# Altium PCB GEM_AFE_128.PcbDoc (part 17 of 18)
Units mm, origin at the board's own origin, x right, y up, seen from the top; angles counter-clockwise.
Board outline 112 x 81.5 mm, 8 copper layers (Top Layer, L1, L2, L3, L4, L5, L6, Bottom Layer), stack 1.52 mm thick; 1880 components, 1258 nets, 6287 pads, 2369 vias.
Unrouted connection lines stored in the file: 4.
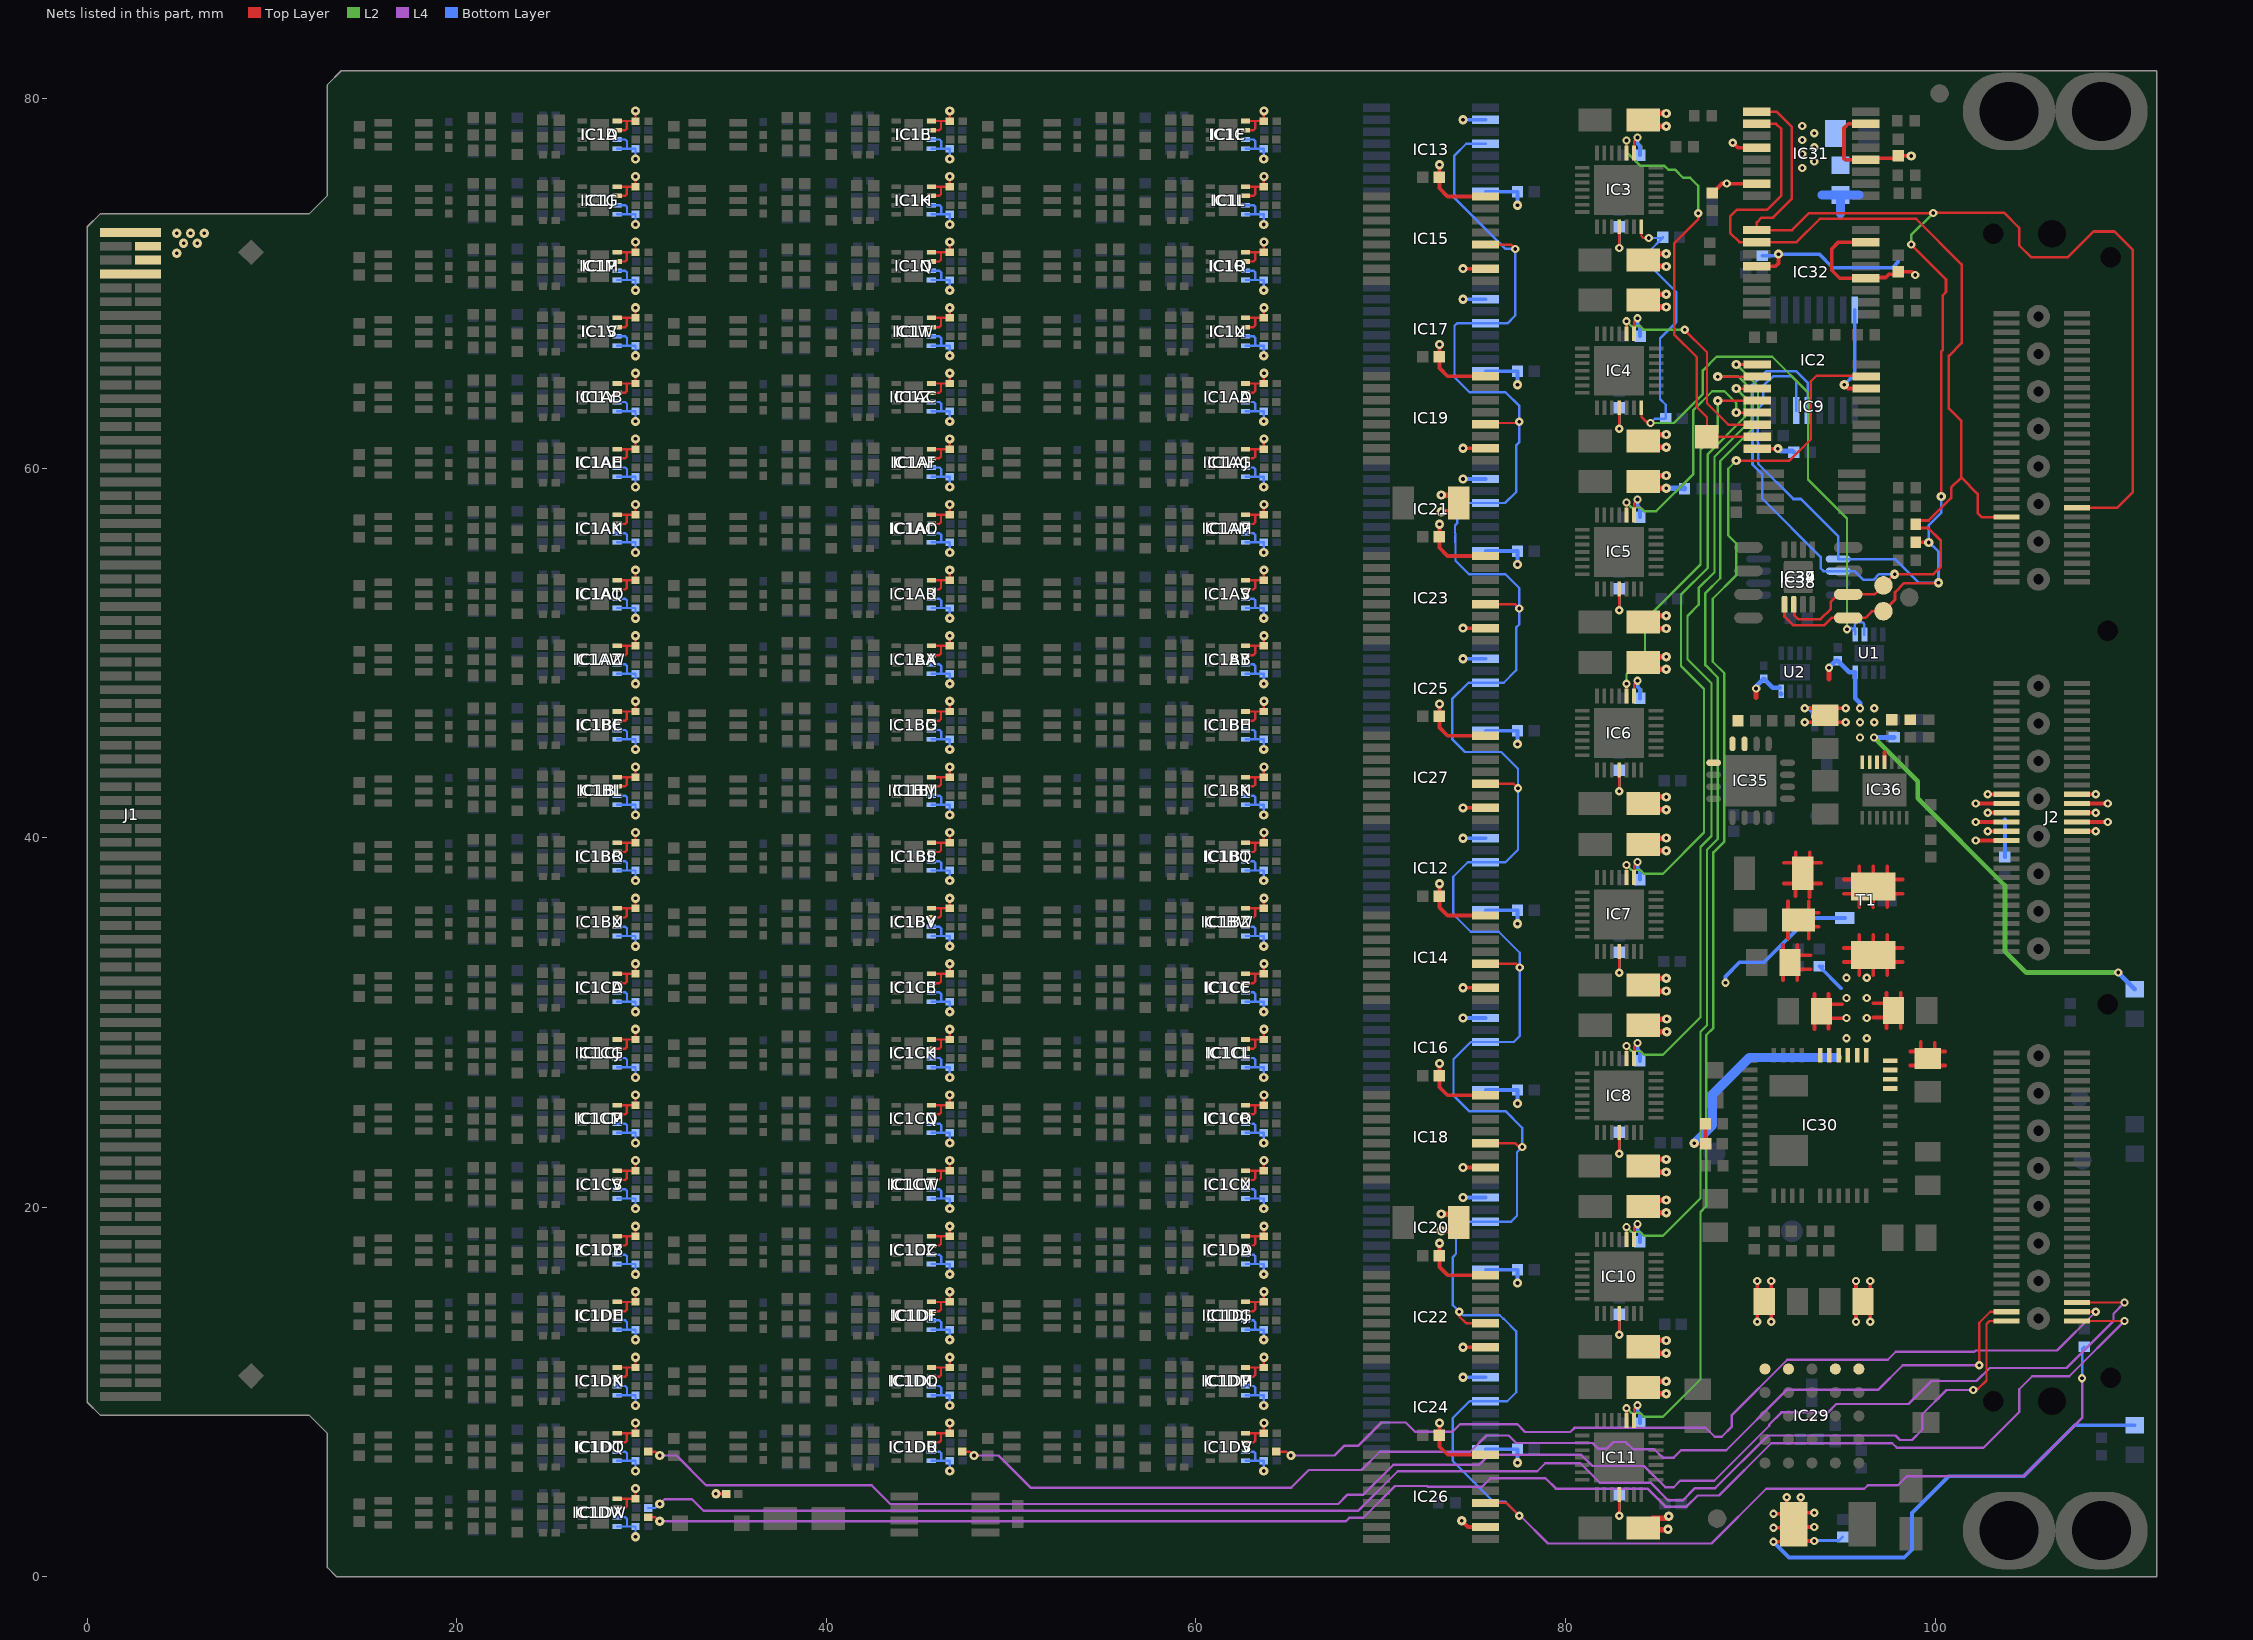
[diagram p23: the nets of this part, all layers, seen from the top]

## Via types
v1: diameter 0.5, hole 0.2, Top Layer to Bottom Layer, tented both sides, 1849 vias
v2: diameter 0.45, hole 0.2, Top Layer to Bottom Layer, tented both sides, 506 vias
v3: diameter 0.45, hole 0.2, Top Layer to Bottom Layer, 14 vias

## Nets (pads, with @x,y where several pads share a name; then routed paths per layer and width w, separated by ;. In a path a pad name is that pad's centre, name@x,y a point inside that pad or via, vN(x,y) a via of type N, cw(c..) or ccw(c..) an arc to the next point about the centre after c; other vN are vias at no path point) (continued)
OUTP123: J2.176 R6DT.2 | length 89.9
  Top Layer w0.127: R6DT.2@30.361,6.774 30.736,6.774 30.949,6.561 v1(30.987,6.561) ; J2.176@107.671,14.841 v2(110.25,14.841)
  L4 w0.127: v1(30.987,6.561) 31.889,6.561 33.5,4.95 42.457,4.95 43.462,3.945 67.695,3.945 68.2,4.45 69.065,4.45 70.674,6.059 75.324,6.059 75.862,6.597 80.853,6.597 81.45,6 84.25,6 85.4,4.85 85.85,4.85 86.2,5.2 88.05,5.2 91.022,8.172 91.022,8.244 91.678,8.9 94.2,8.9 94.65,9.35 98.55,9.35 99.795,10.595 102.245,10.595 102.95,11.3 107.1,11.3 109.65,13.85 109.65,14.241 v2(110.25,14.841)
OUTP124: J2.177 R6DU.2 | length 63.9
  Top Layer w0.127: R6DU.2@47.361,6.774 47.736,6.774 47.949,6.561 v1(47.987,6.561) ; v2(102.389,11.445) 102.389,13.746 102.984,14.341 J2.177@103.861,14.341
  L4 w0.127: v1(47.987,6.561) 49.314,6.561 51.046,4.829 65.154,4.829 66.105,5.78 68.955,5.78 69.946,6.771 74.846,6.771 75.724,7.65 76.926,7.65 77.335,7.241 81.459,7.241 81.762,6.938 82.238,6.938 82.6,7.3 83.25,7.3 83.65,6.9 84.8,6.9 85.25,6.45 85.85,6.45 86.25,6.85 88.7,6.85 91.981,10.131 96.93,10.131 98.244,11.445 v2(102.389,11.445)
OUTP125: J2.178 R6DV.2 | length 50.2
  Top Layer w0.127: R6DV.2@64.511,6.774 64.886,6.774 65.099,6.561 v1(65.137,6.561) ; J2.178@107.671,14.341 108.69,14.341 v2(108.692,14.343)
  L4 w0.127: v1@64.987,6.561 v1(65.137,6.561) 67.501,6.561 68.04,7.1 68.798,7.1 70.046,8.348 71.352,8.348 71.85,7.85 73.883,7.85 74.289,8.256 77.394,8.256 77.81,7.84 80.256,7.84 80.475,8.059 87.591,8.059 88.07,7.58 88.452,7.58 89,8.128 89,8.75 92,11.75 97.437,11.75 97.862,12.175 102.125,12.175 102.2,12.25 106.599,12.25 v2(108.692,14.343)
OUTP126: J2.179 R6DW.2 | length 82.4
  Top Layer w0.127: v2(102.057,10.113) 102.119,10.175 102.325,10.175 102.779,10.629 102.779,13.679 102.941,13.841 J2.179@103.861,13.841
  L4 w0.127: v1(30.982,3.939) 31.244,4.2 32.73,4.2 33.361,3.569 68.769,3.569 70.916,5.716 78.466,5.716 78.9,6.15 80.8,6.15 81.85,5.1 84.6,5.1 85.561,4.139 86.339,4.139 87,4.8 88.1,4.8 90.952,7.652 97.858,7.652 98.103,7.407 98.744,7.407 99.3,7.963 99.3,8.794 100.619,10.113 v2(102.057,10.113)
  Bottom Layer w0.127: R6DW.2@30.356,3.726 30.732,3.726 30.944,3.939 v1(30.982,3.939)
OUTP127: J2.180 R6DX.2 | length 89.3
  Top Layer w0.127: R6DX.2@30.361,3.224 30.736,3.224 30.949,3.011 v1(30.987,3.011) ; J2.180@107.671,13.841 v2(110.25,13.841)
  L4 w0.127: v1(30.987,3.011) 68.111,3.011 68.3,3.2 69.05,3.2 70.765,4.915 72.501,4.915 72.541,4.876 75.476,4.876 75.932,5.332 78.918,5.332 79.476,4.774 84.426,4.774 85.4,3.8 86.55,3.8 87.15,4.4 88.3,4.4 91.127,7.227 97.682,7.227 97.927,6.983 102.609,6.983 104.55,8.923 104.55,10.15 105.25,10.85 107.259,10.85 v2(110.25,13.841)
P1V8: C15.1 C16.2 C17.1 C18.2 C25.1 C26.2 C27.1 C28.2 C35.1 C36.2 C37.1 C38.2 C41.2 C46.1 C47.2 C48.1 C49.2 IC2.8 IC3.18 IC4.18 IC5.18 IC6.18 IC7.18 IC8.18 IC9.6 IC9.16 IC10.18 IC11.18 J2.91 J2.92 J2.93 J2.94 J2.95 R45.2 T1.1 | length 51.7
  Top Layer w0.127: v2(102.192,39.848) v2@102.196,39.844 ; v2(102.192,40.848) v2@102.196,40.844 ; v2(102.84,40.346) v2@102.842,40.344 ; v2@108.69,40.344 v2(108.692,40.346) ; v2@109.336,40.844 v2(109.34,40.848)
  Top Layer w0.14: v2(82.9,3.306) IC11.18@82.9,4.453 ; v2(82.9,13.102) IC10.18@82.9,14.249 ; v2(82.9,22.898) IC8.18@82.9,24.045 ; v2(82.9,32.694) IC7.18@82.9,33.841 ; v2(82.9,42.511) IC6.18@82.9,43.658 ; v2(82.9,52.311) IC5.18@82.9,53.458 ; v2(82.9,71.903) IC3.18@82.9,73.05 ; v2(82.902,62.118) IC4.18@82.902,63.265
  Top Layer w0.2: IC9.16@90.365,61.05 v1(91.489,61.05) ; v1(95.078,64.505) 95.282,64.3 IC9.6@96.265,64.3 ; v2@102.196,39.844 J2.95@103.861,39.844 ; v2@102.196,40.844 J2.91@103.861,40.844 ; v2@102.842,40.344 J2.93@103.861,40.344 ; J2.94@107.671,40.344 v2@108.69,40.344 ; J2.92@107.671,40.844 v2@109.336,40.844
  Top Layer w0.3: C27.1@84.925,70.907 v1(85.446,70.907) ; C27.1@84.925,71.595 v1(85.446,71.595) ; C35.1@84.927,12.105 v1(85.449,12.105) ; C35.1@84.927,12.793 v1(85.449,12.793) ; C37.1@84.927,21.901 v1(85.449,21.901) ; C37.1@84.927,22.589 v1(85.449,22.589) ; C17.1@84.927,31.697 v1(85.449,31.697) ; C17.1@84.927,32.385 v1(85.449,32.385) ; C48.1@84.927,41.514 v1(85.449,41.514) ; C48.1@84.927,42.202 v1(85.449,42.202) ; C46.1@84.927,51.314 v1(85.448,51.314) ; C46.1@84.927,52.002 v1(85.448,52.002) ; C15.1@84.929,61.121 v1(85.451,61.121) ; C15.1@84.929,61.809 v1(85.451,61.809) ; v1(85.545,2.579) 85.517,2.551 84.296,2.551 C25.1@84.2,2.647 84.723,3.169 85.471,3.169 v1(85.578,3.276)
  Bottom Layer w0.14: v2@82.897,3.309 C47.2@82.897,4.453 C47.2@82.897,4.481 ; C49.2@82.897,14.277 82.897,13.105 v2(82.9,13.102) ; C16.2@82.897,24.073 82.897,22.901 v2(82.9,22.898) ; C38.2@82.897,33.869 82.897,32.697 v2(82.9,32.694) ; C26.2@82.897,43.686 82.897,42.514 v2(82.9,42.511) ; v2@82.896,52.314 C41.2@82.896,53.486 ; v2@82.897,71.906 C18.2@82.897,73.078 ; C36.2@82.899,63.293 82.899,62.121 v2(82.902,62.118)
  Bottom Layer w0.2: v2(88.65,32.15) 88.65,32.491 89.409,33.25 90.74,33.25 R45.2@93.169,35.679 93.198,35.65 T1.1@95.116,35.65 ; v1(95.078,64.505) 95.656,65.083 IC2.8@95.656,68.557
  Bottom Layer w0.254: v1(91.489,61.05) 91.622,60.916 92.284,60.916 C28.2@92.35,60.85
P3V3: C95.2 C96.2 IC31.4 IC31.7 IC31.12 IC31.15 IC32.4 IC32.12 IC32.15 J2.85 J2.86 J2.87 J2.88 J2.89 J2.90 L4.1 R41.2 R50.2 R56.2 | length 40.7
  Top Layer w0.127: v2(102.192,41.848) v2@102.196,41.844 ; v2(102.84,41.346) v2@102.842,41.344 ; v2(102.84,42.346) v2@102.842,42.344 ; v2(108.692,41.346) v2(108.692,41.346) ; v2@108.69,42.344 v2(108.692,42.346) ; v2@109.336,41.844 v2(109.34,41.848)
  Top Layer w0.2: R56.2@87.946,74.877 88.466,75.397 v2(88.718,75.397) 88.74,75.375 IC31.7@90.35,75.375 ; v2(89.05,77.6) 89.325,77.325 IC31.4@90.35,77.325 ; IC32.4@90.35,70.925 91.377,70.925 91.525,71.073 v1(91.525,71.575) ; IC32.15@96.25,72.225 94.772,72.225 94.403,71.856 94.403,70.705 94.833,70.275 IC32.12@96.25,70.275 96.284,70.309 97.329,70.309 97.513,70.493 C96.2@97.993,70.493 ; IC31.15@96.25,78.625 95.3,78.625 95.07,78.395 95.07,76.744 95.139,76.675 IC31.12@96.25,76.675 96.337,76.762 97.862,76.762 C95.2@98,76.9 98.699,76.9 v1(98.71,76.888) ; C96.2@97.998,70.618 98.748,70.618 v2(98.924,70.442) ; v2@102.196,41.844 J2.87@103.861,41.844 ; v2@102.842,41.344 J2.89@103.861,41.344 ; v2@102.842,42.344 J2.85@103.861,42.344 ; J2.90@107.671,41.344 v2(108.692,41.346) ; J2.88@107.671,41.844 v2@109.336,41.844 ; J2.86@107.671,42.344 v2@108.69,42.344
  Bottom Layer w0.2: R50.2@90.65,71.481 91.431,71.481 v1(91.525,71.575) 93.725,71.575 94.464,70.836 97.675,70.836 97.994,71.154 ; R41.2@103.776,38.953 103.776,40.981
  Bottom Layer w0.5: 93.889,74.775 L4.1@94.877,74.775 ; 94.877,73.787 L4.1@94.877,74.775 ; 95.865,74.775 L4.1@94.877,74.775
P3V3A: C11.1 C12.2 C13.1 C14.2 C21.1 C22.2 C23.1 C24.2 C31.1 C32.2 C33.1 C34.2 C42.1 C43.2 C44.1 C45.2 C52.2 C53.2 C54.2 C55.2 C56.2 C57.2 C58.2 C59.2 C60.2 C61.2 C62.2 C63.2 C64.2 C65.2 C66.2 C67.2 C68.2 C69.2 C81.2 IC3.2 IC4.2 IC5.2 IC6.2 IC7.2 IC8.2 IC10.2 IC11.2 IC12.10 IC12.16 IC13.10 IC13.16 IC14.10 IC14.16 IC15.10 IC15.16 IC16.10 IC16.16 IC17.10 IC17.16 IC18.10 IC18.16 IC19.10 IC19.16 IC20.10 IC20.16 IC21.10 IC21.16 IC22.10 IC22.16 IC23.10 IC23.16 IC24.10 IC24.16 IC25.10 IC25.16 IC26.10 IC26.16 IC27.10 IC27.16 L4.2 R47.2 | length 100.6
  Top Layer w0.127: IC5.2@83.7,57.458 83.7,58.092 83.888,58.28 v2(83.888,58.296) ; IC11.2@83.7,8.453 83.7,9.087 83.889,9.275 v2(83.889,9.291) ; IC10.2@83.7,18.249 83.7,18.883 83.889,19.071 v2(83.889,19.087) ; IC8.2@83.7,28.045 83.7,28.679 83.889,28.867 v2(83.889,28.883) ; IC7.2@83.7,37.841 83.7,38.475 83.889,38.663 v2(83.889,38.679) ; IC6.2@83.7,47.658 83.7,48.292 83.889,48.481 v2(83.889,48.496) ; IC3.2@83.7,77.05 83.7,77.684 83.889,77.872 v2(83.889,77.888) ; IC4.2@83.702,67.265 83.702,67.899 83.891,68.087 v2(83.891,68.103)
  Top Layer w0.2: v1(73.173,18.052) C67.2@73.173,17.377 73.173,16.771 73.617,16.327 IC22.16@75.673,16.327 ; v1(73.173,27.779) C65.2@73.173,27.104 73.173,26.498 73.617,26.054 IC18.16@75.673,26.054 ; v1(73.173,37.507) C63.2@73.173,36.832 73.173,36.226 73.617,35.782 IC14.16@75.673,35.782 ; v1(73.173,47.234) C61.2@73.173,46.559 73.173,45.953 73.617,45.509 IC27.16@75.673,45.509 ; v1(73.173,56.961) C59.2@73.173,56.286 73.173,55.68 73.617,55.236 IC23.16@75.673,55.236 ; v1(73.173,66.689) C55.2@73.173,66.014 73.173,65.407 73.617,64.964 IC19.16@75.673,64.964 ; v1(73.173,76.416) 73.173,75.135 73.617,74.691 IC15.16@75.673,74.691 ; v1(73.175,8.325) C69.2@73.175,7.65 73.175,7.044 73.619,6.6 IC26.16@75.675,6.6 ; v1(74.387,3.039) 74.726,2.7 IC26.10@75.675,2.7 ; v1(74.448,12.427) IC22.10@75.673,12.427 ; v1(74.448,22.155) IC18.10@75.673,22.155 ; v1(74.448,31.882) IC14.10@75.673,31.882 ; v1(74.448,41.609) IC27.10@75.673,41.609 ; v1(74.448,51.336) IC23.10@75.673,51.336 ; v1(74.448,61.064) IC19.10@75.673,61.064 ; v1(74.448,70.791) IC15.10@75.673,70.791
  Top Layer w0.3: v1(73.277,18.722) 73.798,18.722 74.223,19.147 C57.2@74.223,19.175 74.223,19.204 73.798,19.629 v1(73.277,19.629) ; v1(73.277,57.631) 73.798,57.631 74.223,58.056 C56.2@74.223,58.113 73.798,58.538 v1(73.277,58.538) ; C23.1@84.925,78.499 v1(85.446,78.499) ; C23.1@84.925,79.187 v1(85.446,79.187) ; C13.1@84.927,9.9 v1(85.449,9.9) ; C13.1@84.927,10.589 v1(85.449,10.589) ; C21.1@84.927,19.696 v1(85.449,19.696) ; C21.1@84.927,20.385 v1(85.449,20.385) ; C42.1@84.927,29.492 v1@85.449,29.492 ; C42.1@84.927,30.181 v1@85.449,30.181 ; C44.1@84.927,39.288 v1(85.449,39.288) ; C44.1@84.927,39.977 v1(85.449,39.977) ; C11.1@84.927,49.106 v1(85.449,49.106) ; C11.1@84.927,49.794 v1(85.449,49.794) ; C31.1@84.927,58.905 v1(85.448,58.905) ; C31.1@84.927,59.594 v1(85.448,59.594) ; C33.1@84.929,68.712 v1(85.451,68.712) ; C33.1@84.929,69.401 v1(85.451,69.401)
  Bottom Layer w0.2: v1(74.45,10.8) IC24.10@75.675,10.8 ; v1(74.45,20.521) IC20.10@75.675,20.521 ; v1(74.45,30.243) IC16.10@75.675,30.243 ; v1(74.45,39.964) IC12.10@75.675,39.964 ; v1(74.45,49.686) IC25.10@75.675,49.686 ; v1(74.45,59.407) IC21.10@75.675,59.407 ; v1(74.45,69.129) IC17.10@75.675,69.129 ; v1(74.45,78.85) IC13.10@75.675,78.85 ; IC24.16@75.675,6.9 C68.2@77.4,6.9 v1(77.4,6.175) ; IC20.16@75.675,16.621 C66.2@77.4,16.621 v1(77.4,15.896) ; IC16.16@75.675,26.343 C64.2@77.4,26.343 v1(77.4,25.618) ; IC12.16@75.675,36.064 C62.2@77.4,36.064 v1(77.4,35.339) ; IC25.16@75.675,45.786 C60.2@77.4,45.786 v1(77.4,45.061) ; IC21.16@75.675,55.507 C58.2@77.4,55.507 v1(77.4,54.782) ; IC17.16@75.675,65.229 C54.2@77.4,65.229 v1(77.4,64.504) ; IC13.16@75.675,74.95 C52.2@77.4,74.95 v1(77.4,74.225) ; v2@83.884,9.296 v2(83.889,9.291) 83.889,8.957 84.025,8.821 C43.2@84.025,8.325 ; v2@83.884,19.092 v2(83.889,19.087) 83.889,18.753 84.025,18.617 C22.2@84.025,18.121 ; v2@83.884,28.888 v2(83.889,28.883) 83.889,28.549 84.025,28.413 C45.2@84.025,27.917 ; v2@83.884,38.684 v2(83.889,38.679) 83.889,38.345 84.025,38.209 C24.2@84.025,37.713 ; v2@83.884,48.501 v2(83.889,48.496) 83.889,48.162 84.025,48.027 C12.2@84.025,47.53 ; v2@83.884,58.3 v2(83.888,58.296) 83.888,57.962 84.024,57.826 C34.2@84.024,57.33 ; v2@83.884,77.893 v2(83.889,77.888) 83.889,77.554 84.025,77.418 C32.2@84.025,76.922 ; v2(83.891,68.103) 83.895,68.099 83.895,67.765 84.031,67.629 C14.2@84.031,67.133
  Bottom Layer w0.3: v1(85.448,58.905) 86.415,58.905 R47.2@86.433,58.888
  other v1: 85.474,29.492 85.474,30.181
  other v2: 92.8,76.23 93.45,76.59 92.8,76.99 93.45,77.35 92.8,77.75 93.45,78.11 92.8,78.51
P3V6: C5.2 C70.2 C74.2 C82.2 C83.2 C92.2 IC29.A1 IC29.B1 IC29.D1 IC29.E1 IC30.12 IC30.13 IC30.14 IC30.15 IC30.16 IC30.17 IC30.18 IC30.19 IC30.20 IC30.21 L2.1 R19.2 R46.2 | length 39.4
  Top Layer w0.2: v1(86.969,23.465) 86.997,23.436 87.584,23.436 87.571,23.45 R19.2@87.571,24.38 ; v2(90.37,13.796) C74.2@90.37,14.571 ; C74.2@90.37,15.229 v2(90.37,16.004) ; v2(91.13,13.796) C74.2@91.13,14.571 ; C74.2@91.13,15.229 v2(91.13,16.004) ; 93.47,29.647 C82.2@93.47,30.271 ; C82.2@93.47,30.98 93.47,31.55 ; C82.2@94.179,30.22 94.954,30.22 ; C82.2@94.179,30.98 94.954,30.98 ; 94.23,29.65 C82.2@94.23,30.22 ; C82.2@94.23,30.929 94.23,31.553 ; 95.046,33.27 L2.1@95.821,33.27 ; 95.046,34.03 L2.1@95.821,34.03 ; v2(95.72,13.796) C70.2@95.72,14.571 ; C70.2@95.72,15.229 v2(95.72,16.004) ; 95.89,32.55 L2.1@95.89,33.325 ; L2.1@95.89,33.975 95.89,34.75 ; v2(96.48,13.796) C70.2@96.48,14.571 ; C70.2@96.48,15.229 v2(96.48,16.004) ; 96.646,30.27 C5.2@97.421,30.27 ; 96.646,31.03 C5.2@97.421,31.03 ; 96.65,32.55 L2.1@96.65,33.325 ; L2.1@96.65,33.975 96.65,34.75 ; 97.37,29.697 C5.2@97.37,30.321 ; C5.2@97.37,31.03 97.37,31.6 ; 97.41,32.55 L2.1@97.41,33.325 ; L2.1@97.41,33.975 97.41,34.75 ; L2.1@97.479,33.27 98.254,33.27 ; L2.1@97.479,34.03 98.254,34.03 ; 98.13,29.7 C5.2@98.13,30.27 ; C5.2@98.13,30.979 98.13,31.603 ; 98.647,28.43 C83.2@99.271,28.43 ; 98.65,27.67 C83.2@99.22,27.67 ; C83.2@99.22,28.379 99.22,28.953 ; C83.2@99.929,28.43 100.553,28.43 ; C83.2@99.98,27.67 100.55,27.67 ; C83.2@99.98,28.379 99.98,28.892
  Bottom Layer w0.2: R46.2@93.913,33.037 R46.2@93.724,33.037 94.91,31.85
  Bottom Layer w0.5: v1(86.969,23.465) 87.95,24.446 87.95,26.1 89.95,28.1 94.7,28.1
  other v2: 95.205,29.145 96.295,29.145 95.205,30.236 96.295,30.236 95.205,31.326 96.295,31.326 95.205,32.416 96.295,32.416
P3V6A: C10.2 C76.1 L2.2 L3.1 | length 20.4
  Top Layer w0.2: 91.77,32.297 C10.2@91.77,32.921 ; C10.2@91.77,33.63 91.77,34.2 ; 91.821,37.518 L3.1@92.355,37.518 ; 91.821,38.638 L3.1@92.355,38.638 ; 92.04,34.541 C76.1@92.04,35.075 ; C76.1@92.04,36.025 92.04,36.559 ; 92.442,36.834 L3.1@92.442,37.404 ; L3.1@92.459,38.749 92.459,39.202 ; C10.2@92.479,32.87 C10.2@92.53,32.87 ; C10.2@92.479,33.63 C10.2@92.53,33.63 ; 92.53,32.3 C10.2@92.53,32.87 ; C10.2@92.53,33.579 C10.2@92.53,33.63 ; 92.53,34.203 C10.2@92.53,33.63 ; L3.1@92.83,38.078 92.83,38.163 93.305,38.638 93.84,38.638 ; C76.1@92.929,35.17 93.704,35.17 ; C76.1@92.929,35.93 93.704,35.93 ; 93.16,34.541 C76.1@93.16,35.075 ; C76.1@93.16,36.025 93.16,36.559 ; 93.202,36.782 L3.1@93.202,37.407 ; L3.1@93.219,38.752 93.219,39.202 ; 93.254,32.87 C10.2@92.53,32.87 ; 93.254,33.63 C10.2@92.53,33.63 ; L3.1@93.305,37.518 93.84,37.518 ; 95.046,36.97 L2.2@95.821,36.97 ; 95.046,37.73 L2.2@95.821,37.73 ; 95.89,36.25 L2.2@95.89,37.025 ; L2.2@95.89,37.675 95.89,38.45 ; 96.65,36.25 L2.2@96.65,37.025 ; L2.2@96.65,37.675 96.65,38.45 ; 97.41,36.25 L2.2@97.41,37.025 ; L2.2@97.41,37.675 97.41,38.45 ; L2.2@97.479,36.97 98.254,36.97 ; L2.2@97.479,37.73 98.254,37.73
P12V0: J1.82 J1.83 J1.84 J1.85 L1.1 LD2.2 R48.2 | length 31.9
  Top Layer w0.2: v2(91.25,1.89) L1.1@92.025,1.89 ; v2(91.25,2.65) L1.1@92.025,2.65 ; v2(91.25,3.41) L1.1@92.025,3.41 ; L1.1@91.97,3.529 v2(91.97,4.304) ; L1.1@92.675,1.94 v2(93.45,1.94) ; L1.1@92.675,2.7 v2(93.45,2.7) ; L1.1@92.675,3.46 v2(93.45,3.46) ; L1.1@92.73,3.529 v2(92.73,4.304)
  Bottom Layer w0.15: v2(93.45,1.94) 93.478,1.968 94.798,1.968 R48.2@94.99,2.16
  Bottom Layer w0.2: v2(91.25,1.89) 92.094,1.046 98.332,1.046 98.75,1.465 98.75,3.45 100.75,5.45 104.8,5.45 107.55,8.2 LD2.2@110.8,8.2
  other v1: 4.85,71.625 5.22,72.162 5.961,72.162 4.85,72.7 5.59,72.7 6.331,72.7
RCLK: IC12.12 IC13.12 IC14.12 IC15.12 IC16.12 IC17.12 IC18.12 IC19.12 IC20.12 IC21.12 IC22.12 IC23.12 IC24.12 IC25.12 IC26.12 IC27.12 R26.2 | length 167.1
  Top Layer w0.127: v2(74.25,14.35) 74.25,14.093 74.616,13.727 IC22.12@75.673,13.727 ; IC18.12@75.673,23.454 77.284,23.454 77.48,23.259 v2(77.659,23.259) ; IC14.12@75.673,33.182 77.312,33.182 v2(77.52,32.974) ; IC27.12@75.673,42.909 77.192,42.909 v2(77.427,42.674) ; IC23.12@75.673,52.636 77.261,52.636 v2(77.496,52.401) ; IC19.12@75.673,62.364 75.743,62.433 77.433,62.433 v2(77.5,62.5) ; IC15.12@75.673,72.091 77.047,72.091 v2(77.282,71.856) ; IC26.12@75.675,4 76.8,4 v2(77.5,3.3)
  L4 w0.127: v2(77.5,3.3) 77.55,3.3 79.05,1.8 87.9,1.8 90.864,4.764 95.82,4.764 95.823,4.761 96.167,4.761 96.356,4.95 97.978,4.95 98.478,5.45 104.8,5.45 107.95,8.6 v2(107.95,10.75)
  Bottom Layer w0.127: IC13.12@75.675,77.55 74.624,77.55 73.984,76.91 73.984,74.616 76.744,71.856 v2(77.282,71.856) 77.282,68.249 76.861,67.829 IC17.12@75.675,67.829 74.125,67.829 73.993,67.697 73.993,64.91 74.803,64.1 76.75,64.1 77.5,63.35 v2(77.5,62.5) 77.5,61.4 77.338,61.238 77.338,58.714 76.731,58.107 IC21.12@75.675,58.107 74.657,58.107 74.13,57.58 74.13,57.011 74.014,56.895 74.014,56.476 74.045,56.445 74.045,56.339 74.035,56.329 74.035,55.985 74.045,55.975 74.045,54.982 74.777,54.25 76.745,54.25 77.496,53.5 v2(77.496,52.401) 77.496,51.538 77.326,51.368 77.326,49.058 76.654,48.386 IC25.12@75.675,48.386 74.75,48.386 73.863,47.498 73.863,45.332 74.561,44.634 76.517,44.634 77.427,43.725 v2(77.427,42.674) 77.427,39.34 76.751,38.664 IC12.12@75.675,38.664 74.711,38.664 73.927,37.881 73.927,35.852 74.872,34.907 76.389,34.907 77.52,33.775 v2(77.52,32.974) 77.52,29.27 77.193,28.943 IC16.12@75.675,28.943 74.871,28.943 73.936,28.008 73.936,26.046 74.782,25.2 76.752,25.2 77.659,24.293 v2(77.659,23.259) 77.371,22.971 77.371,19.537 77.056,19.221 IC20.12@75.675,19.221 74.551,19.221 74.092,18.763 74.092,18.515 74.07,18.492 74.07,17.478 73.901,17.309 73.901,14.699 v2(74.25,14.35) 74.448,14.152 76.436,14.152 76.627,13.962 76.651,13.962 77.331,13.282 77.331,9.991 76.84,9.5 IC24.12@75.675,9.5 74.8,9.5 73.891,8.591 73.891,6.274 76.09,4.075 76.725,4.075 v2(77.5,3.3) ; v2(107.95,10.75) 107.95,12.33 R26.2@108.076,12.456
SCL: B2.1 IC2.13 IC31.2 IC32.2 IC34.6 IC37.6 IC38.6 IC39.6 J2.45 R12.2 | length 77.1
  Top Layer w0.127: 102.838,57.343 102.84,57.345
  Top Layer w0.14: IC31.2@90.35,78.625 91.388,78.625 91.678,78.334 91.678,74.748 90.916,73.986 89.286,73.986 88.905,73.605 88.905,72.719 89.399,72.225 IC32.2@90.35,72.225 92.502,72.225 93.766,73.488 98.961,73.488 101.427,71.022 101.427,66.756 100.742,66.071 100.742,63.22 101.412,62.55 101.412,59.488 ; IC34.6@92.348,52.599 92.364,52.583 92.364,52.046 92.589,51.822 93.799,51.822 94.351,52.374 94.351,52.765 94.75,53.164 IC38.6@95.298,53.164 ; R12.2@99.182,57.161 99.648,57.161 100.865,58.378 100.865,58.94 101.412,59.488 ; J2.45@103.861,57.347 102.511,57.347 102.3,57.558 102.3,58.6 101.412,59.488
  Top Layer w0.15: IC38.6@95.298,53.164 96.714,53.164 B2.1@97.2,53.65 v1(97.805,54.255) 99.905,54.255 100.3,54.65 100.3,56.082 99.622,56.759 99.145,56.759 R12.2@98.945,56.96
  Bottom Layer w0.14: 90.115,61.045 90.115,64.495 90.866,65.246 92.463,65.246 93.116,64.593 IC2.13@93.116,63.109 ; 90.116,61.044 90.116,60.195 90.65,59.661 90.65,58.338 93.798,55.189 93.798,54.576 93.95,54.424 IC39.6@94.748,54.424 95.634,54.424 96.113,53.945 96.66,53.945 96.969,54.255 v1(97.805,54.255)
SDA: B1.1 IC2.14 IC31.1 IC32.1 IC34.5 IC37.5 IC38.5 IC39.5 J2.44 R11.2 | length 102.8
  Top Layer w0.14: IC32.1@90.35,72.875 90.35,73.289 90.611,73.55 91.224,73.55 92.25,74.576 92.25,78.454 91.429,79.275 IC31.1@90.35,79.275 ; IC32.1@90.44,72.873 92.253,72.873 93.171,73.791 99.891,73.791 v2(99.904,73.804) 99.922,73.822 103.728,73.822 104.55,73 104.55,72.05 105.2,71.4 107.172,71.4 108.572,72.8 109.7,72.8 110.7,71.8 110.7,58.7 109.847,57.847 J2.44@107.671,57.847 ; IC34.5@91.848,52.599 91.848,51.963 92.312,51.499 93.999,51.499 94.394,51.894 IC38.5@95.298,51.894 96.219,51.894 96.572,52.247 97.197,52.247 B1.1@97.2,52.25 ; v2(98.7,72.1) 98.7,72.093 100.588,70.205 100.588,69.523 100.414,69.349 100.414,67.264 100.414,66.935 100.414,66.387 100.326,66.3 v1(100.326,58.456)
  Top Layer w0.15: B1.1@97.2,52.25 97.823,52.873 97.823,53.273 98.318,53.768 100.167,53.768 v1(100.184,53.785)
  Top Layer w0.2: R11.2@98.945,55.979 v1@99.643,55.979
  L2 w0.14: v2(98.7,72.1) 98.7,72.6 v2(99.904,73.804)
  Bottom Layer w0.14: IC2.14@92.481,63.109 92.481,64.726 92.243,64.964 91.23,64.964 90.693,64.427 90.693,63.499 90.4,63.205 90.4,61.373 90.421,61.351 90.421,60.231 92.326,58.326 92.735,58.326 94.748,56.313 IC39.5@94.748,55.074 97.838,55.074 99.127,53.785 v1(100.184,53.785) ; v1(99.648,55.974) 99.648,56.898 100.326,57.576 v1(100.326,58.456)
  Bottom Layer w0.15: v1@99.682,55.974 100.181,55.475 100.181,53.789 v1(100.184,53.785)
SYNC0: IC3.3 IC9.15 TP1.1 | length 23.5
  Top Layer w0.127: IC3.3@83.3,77.05 v2(83.3,77.726) ; v2(87.172,73.79) 87.172,73.449 85.874,72.151 85.874,67.226 87.1,66 87.1,63.3 87.65,62.75 TP1.1@87.65,61.7 IC9.15@90.365,61.7
  L2 w0.127: v2(83.3,77.726) 83.3,77.1 84.05,76.35 85.35,76.35 85.553,76.147 85.92,76.147 86.367,75.7 86.75,75.7 87.172,75.278 v2(87.172,73.79)
SYNC1: IC4.3 IC9.14 | length 11.7
  Top Layer w0.127: IC4.3@83.302,67.265 v2(83.302,67.941) ; v2(86.443,67.475) 87.65,66.268 87.65,63.5 88.8,62.35 IC9.14@90.365,62.35